# KiCad board FPGA_dev_board.kicad_pcb (continued)
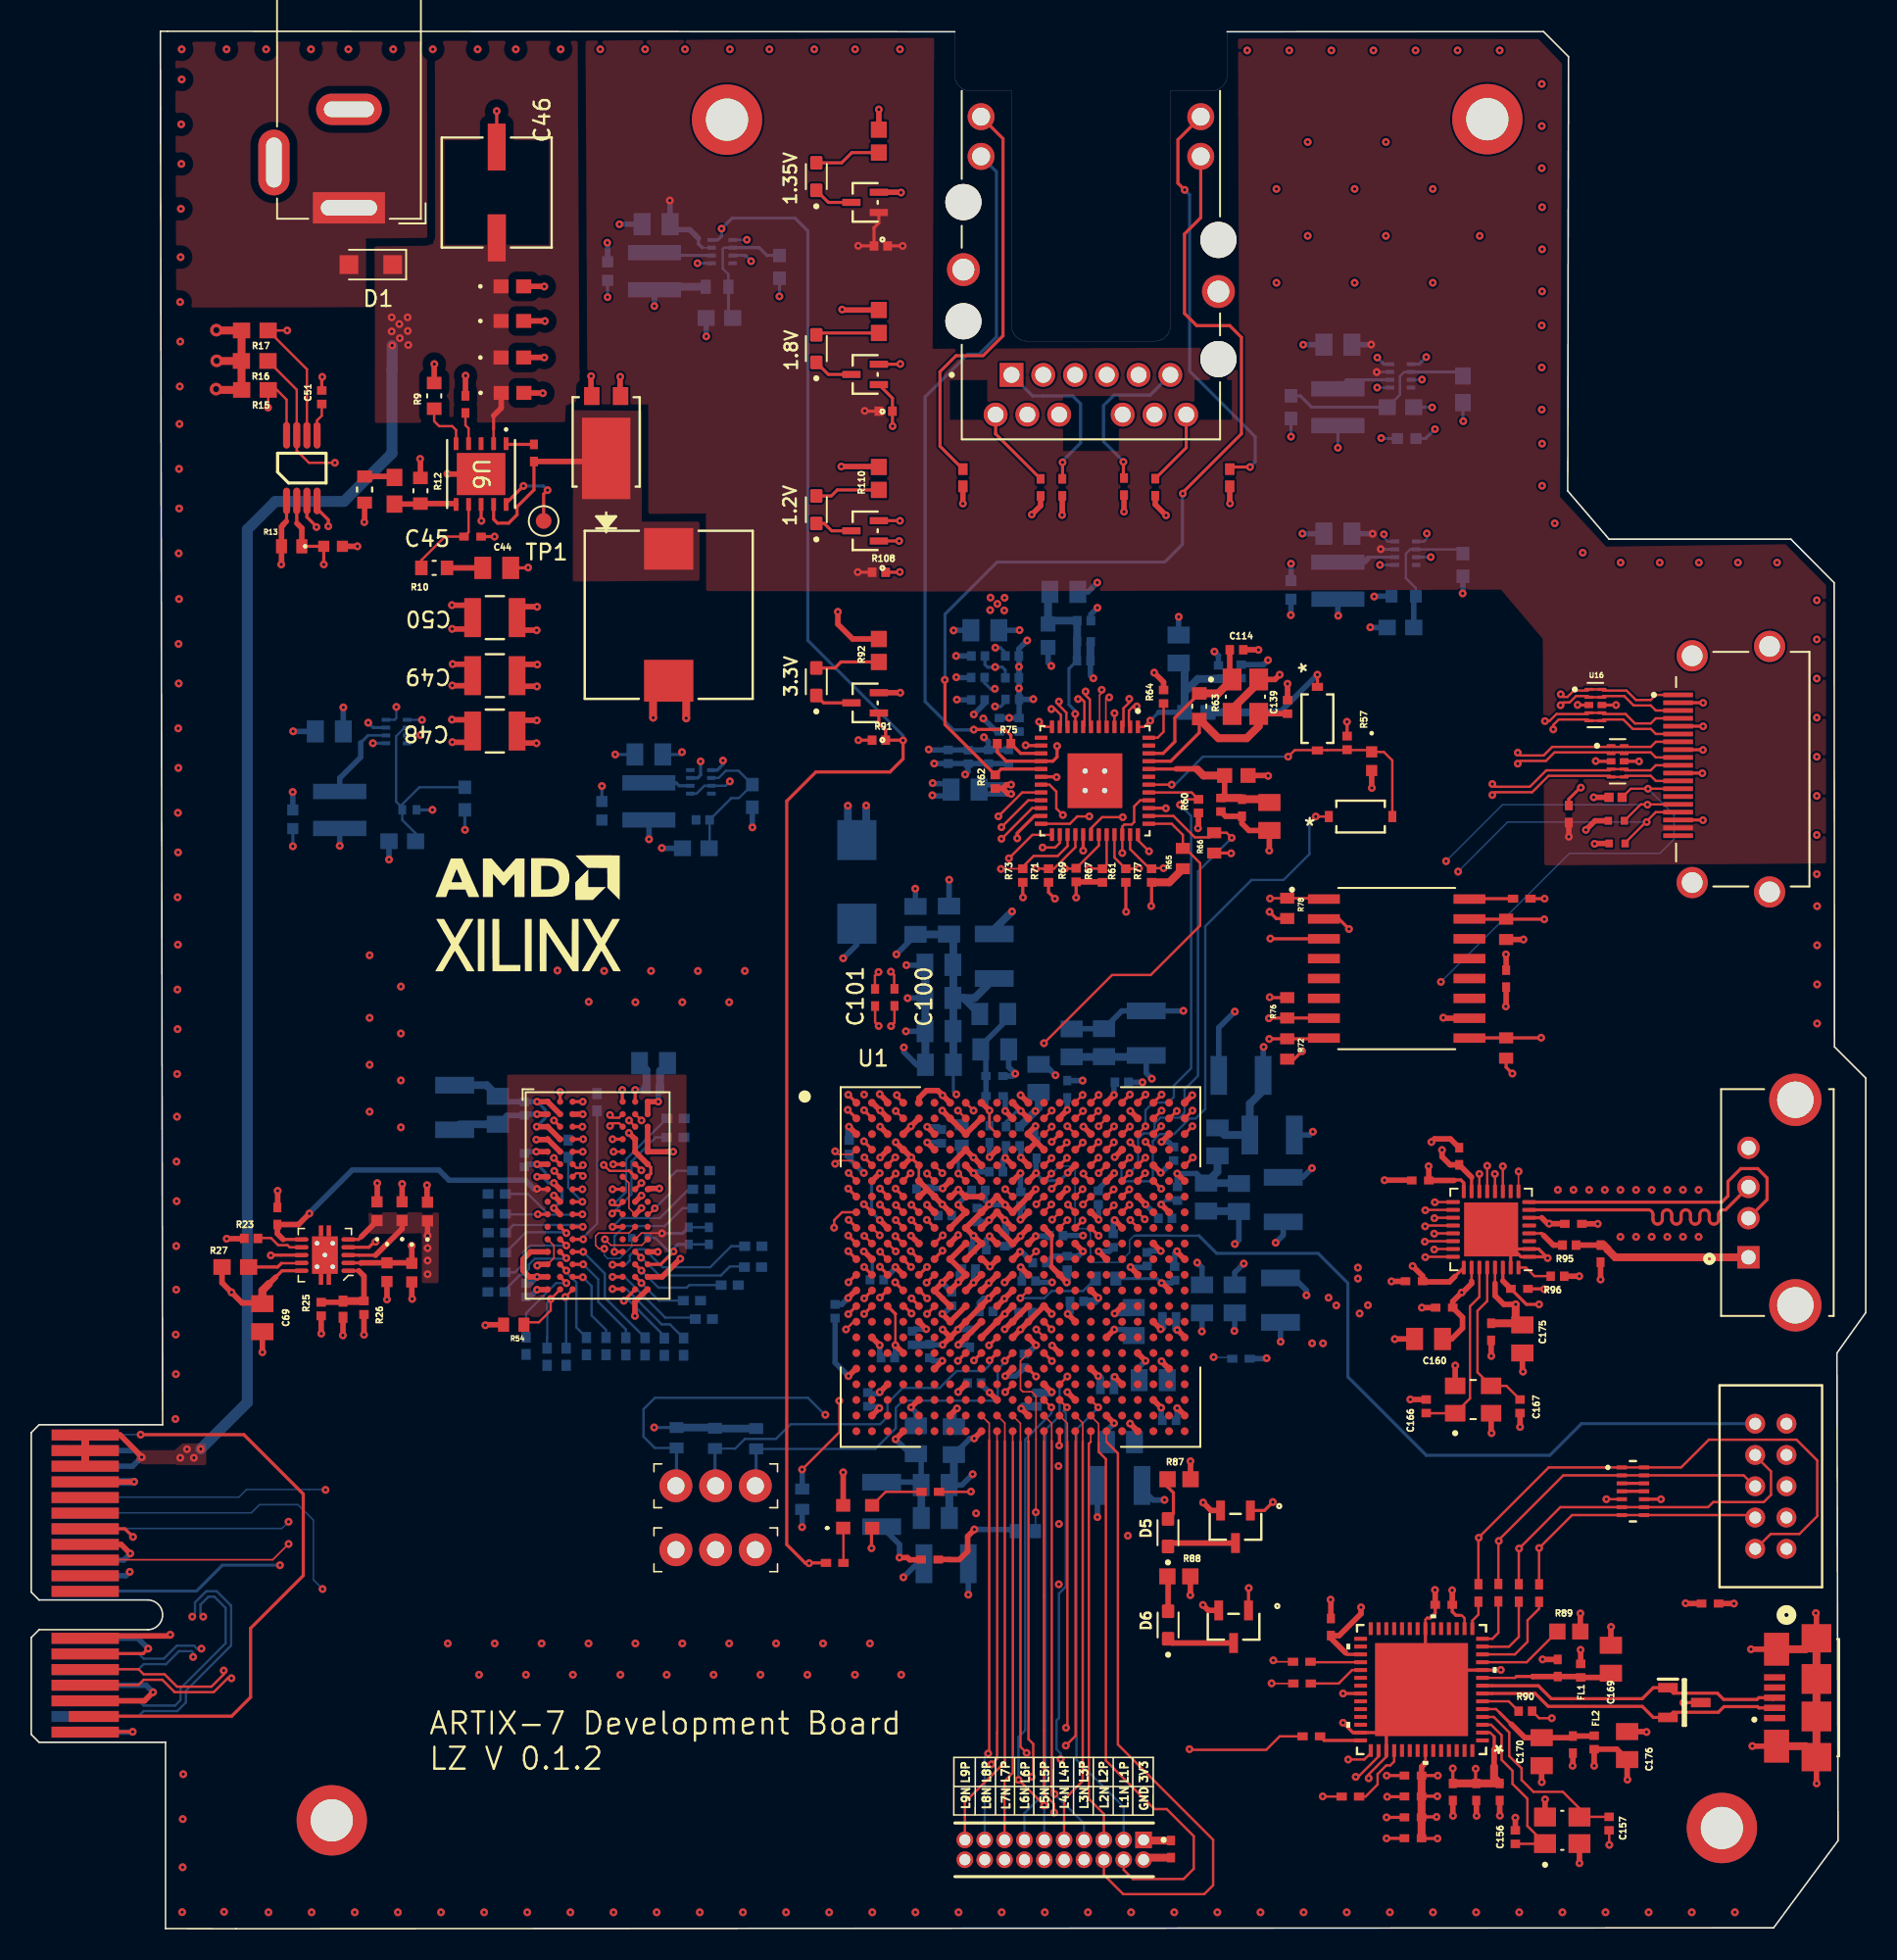
[diagram p0: board, top side]
## Routing (per net, layer and track width the routed paths; a pad name or vN(x,y) marks a point on that pad's centre or on a via; arc(x,y) is an arc through that point) (continued)
RGMII_TD2: length 47.8
  Top w0.15: v1(62.05,70.43) 63.77,72.15 64.58,72.15
  Top w0.2: 68.78,48.82 v1(68.27,48.31)
  In2.Cu w0.1: v1(68.27,48.31) 68.27,47.12 67.91,46.76 61.88,46.76 60.79,47.85 60.79,52.45 arc(60.83,52.55) 60.93,52.59 arc(61.04,52.64) 61.08,52.74 61.08,52.95 arc(61.04,53.05) 60.93,53.09 60.62,53.09 arc(60.5,53.14) 60.45,53.27 60.45,53.42 arc(60.5,53.55) 60.62,53.59 60.96,53.59 arc(61.08,53.64) 61.13,53.77 61.13,53.92 arc(61.08,54.05) 60.96,54.09 60.62,54.09 arc(60.5,54.14) 60.45,54.27 60.45,54.42 arc(60.5,54.55) 60.62,54.59 60.96,54.59 arc(61.08,54.64) 61.13,54.77 61.13,54.92 arc(61.08,55.05) 60.96,55.09 60.62,55.09 arc(60.5,55.14) 60.45,55.27 60.45,55.42 arc(60.5,55.55) 60.62,55.59 60.96,55.59 arc(61.08,55.64) 61.13,55.77 61.13,55.92 arc(61.08,56.05) 60.96,56.09 60.62,56.09 arc(60.5,56.14) 60.45,56.27 60.45,56.42 arc(60.5,56.55) 60.62,56.59 60.96,56.59 arc(61.08,56.64) 61.13,56.77 61.13,56.92 arc(61.08,57.05) 60.96,57.09 60.62,57.09 arc(60.5,57.14) 60.45,57.27 60.45,57.42 arc(60.5,57.55) 60.62,57.59 60.96,57.59 arc(61.08,57.64) 61.13,57.77 61.13,57.92 arc(61.08,58.05) 60.96,58.09 60.62,58.09 arc(60.5,58.14) 60.45,58.27 60.45,58.42 arc(60.5,58.55) 60.62,58.59 60.96,58.59 arc(61.08,58.64) 61.13,58.77 61.13,58.92 arc(61.08,59.05) 60.96,59.09 60.62,59.09 arc(60.5,59.14) 60.45,59.27 60.45,59.42 arc(60.5,59.55) 60.62,59.59 60.96,59.59 arc(61.08,59.64) 61.13,59.77 61.13,59.92 arc(61.08,60.05) 60.96,60.09 60.62,60.09 arc(60.5,60.14) 60.45,60.27 60.45,60.42 arc(60.5,60.55) 60.62,60.59 60.96,60.59 arc(61.08,60.64) 61.13,60.77 61.13,60.92 arc(61.08,61.05) 60.96,61.09 60.62,61.09 arc(60.5,61.14) 60.45,61.27 60.45,61.42 arc(60.5,61.55) 60.62,61.59 60.96,61.59 arc(61.08,61.64) 61.13,61.77 61.13,61.92 arc(61.08,62.05) 60.96,62.09 60.62,62.09 arc(60.5,62.14) 60.45,62.27 60.45,62.42 arc(60.5,62.55) 60.62,62.59 60.96,62.59 arc(61.08,62.64) 61.13,62.76 61.13,62.93 arc(61.08,63.05) 60.96,63.1 arc(60.84,63.15) 60.79,63.27 60.79,63.37 60.23,63.93 60.23,68.62 62.04,70.43 v1(62.05,70.43)
RGMII_TD3: length 47.8
  Top w0.1: 62.69,70.32 62.69,70.31
  Top w0.15: 64.58,71.65 64.02,71.65 62.69,70.32 ; v1(62.05,69.69) 62.07,69.69 62.69,70.31
  Top w0.2: v1(67.29,48.28) 67.29,48.23 67.73,47.8
  In2.Cu w0.1: v1(67.29,48.28) 66.89,47.88 62.83,47.88 61.69,49.02 61.69,55.03 arc(61.76,55.19) 61.92,55.25 62.15,55.25 arc(62.31,55.32) 62.38,55.48 arc(62.31,55.64) 62.15,55.7 61.92,55.7 arc(61.76,55.77) 61.69,55.93 arc(61.76,56.09) 61.92,56.16 62.15,56.16 arc(62.31,56.22) 62.38,56.38 arc(62.31,56.54) 62.15,56.6 61.92,56.6 arc(61.76,56.67) 61.69,56.83 arc(61.76,56.99) 61.92,57.06 62.15,57.06 arc(62.31,57.12) 62.38,57.28 arc(62.31,57.44) 62.15,57.5 61.92,57.5 arc(61.76,57.57) 61.69,57.73 arc(61.76,57.89) 61.92,57.95 62.15,57.95 arc(62.31,58.02) 62.38,58.18 arc(62.31,58.34) 62.15,58.41 61.92,58.41 arc(61.76,58.47) 61.69,58.63 arc(61.76,58.79) 61.92,58.85 62.15,58.85 arc(62.31,58.92) 62.38,59.08 arc(62.31,59.24) 62.15,59.31 61.92,59.31 arc(61.76,59.37) 61.69,59.53 arc(61.76,59.69) 61.92,59.75 62.15,59.75 arc(62.31,59.82) 62.38,59.98 arc(62.31,60.14) 62.15,60.2 61.92,60.2 arc(61.76,60.27) 61.69,60.43 arc(61.76,60.59) 61.92,60.66 62.15,60.66 arc(62.31,60.72) 62.38,60.88 arc(62.31,61.04) 62.15,61.1 61.92,61.1 arc(61.76,61.17) 61.69,61.33 arc(61.76,61.49) 61.92,61.56 62.15,61.56 arc(62.31,61.62) 62.38,61.78 arc(62.31,61.94) 62.15,62 61.92,62 arc(61.76,62.07) 61.69,62.23 arc(61.76,62.39) 61.92,62.45 62.15,62.45 arc(62.31,62.52) 62.38,62.68 arc(62.31,62.84) 62.15,62.91 61.92,62.91 arc(61.76,62.97) 61.69,63.13 arc(61.76,63.29) 61.92,63.35 62.15,63.35 arc(62.31,63.42) 62.38,63.58 arc(62.31,63.74) 62.15,63.81 61.92,63.81 arc(61.76,63.87) 61.69,64.03 61.69,64.17 61.13,64.73 61.13,65.1 arc(61.07,65.24) 60.93,65.3 60.83,65.3 arc(60.69,65.36) 60.63,65.5 arc(60.69,65.64) 60.83,65.7 61.43,65.7 arc(61.57,65.76) 61.63,65.9 arc(61.57,66.04) 61.43,66.1 60.83,66.1 arc(60.69,66.16) 60.63,66.3 arc(60.69,66.44) 60.83,66.5 61.43,66.5 arc(61.57,66.56) 61.63,66.7 arc(61.57,66.84) 61.43,66.9 60.83,66.9 arc(60.69,66.96) 60.63,67.1 arc(60.69,67.24) 60.83,67.3 61.43,67.3 arc(61.57,67.36) 61.63,67.5 arc(61.57,67.64) 61.43,67.7 60.83,67.7 arc(60.69,67.76) 60.63,67.9 arc(60.69,68.04) 60.83,68.1 61.43,68.1 arc(61.57,68.16) 61.63,68.3 arc(61.57,68.44) 61.43,68.5 61.33,68.5 arc(61.19,68.56) 61.13,68.7 61.13,68.77 v1(62.05,69.69)
RGMII_TX_EN: length 47.8
  Top w0.15: 65.28,69.95 65.27,69.94 64.03,69.94 v1(62.53,68.44)
  Top w0.2: 64.78,48.8 v1(65.25,49.27)
  In2.Cu w0.1: v1(65.25,49.27) 63.73,50.8 63.73,52.95 64.36,53.58 64.36,56.92 arc(64.41,57.04) 64.53,57.09 65.52,57.09 arc(65.65,57.15) 65.7,57.27 arc(65.65,57.39) 65.52,57.44 64.53,57.44 arc(64.41,57.5) 64.36,57.62 arc(64.41,57.74) 64.53,57.79 65.52,57.79 arc(65.65,57.85) 65.7,57.97 arc(65.65,58.09) 65.52,58.15 64.53,58.15 arc(64.41,58.2) 64.36,58.32 arc(64.41,58.44) 64.53,58.5 65.52,58.5 arc(65.65,58.55) 65.7,58.67 arc(65.65,58.79) 65.52,58.84 64.53,58.84 arc(64.41,58.9) 64.36,59.02 arc(64.41,59.14) 64.53,59.19 65.52,59.19 arc(65.65,59.25) 65.7,59.37 arc(65.65,59.49) 65.52,59.54 64.53,59.54 arc(64.41,59.6) 64.36,59.72 arc(64.41,59.84) 64.53,59.9 65.52,59.9 arc(65.65,59.95) 65.7,60.07 arc(65.65,60.19) 65.52,60.25 64.53,60.25 arc(64.41,60.3) 64.36,60.42 arc(64.41,60.54) 64.53,60.59 65.52,60.59 arc(65.65,60.65) 65.7,60.77 arc(65.65,60.89) 65.52,60.94 64.53,60.94 arc(64.41,61) 64.36,61.12 arc(64.41,61.24) 64.53,61.29 65.52,61.29 arc(65.65,61.35) 65.7,61.47 arc(65.65,61.59) 65.52,61.65 64.53,61.65 arc(64.41,61.7) 64.36,61.82 arc(64.41,61.94) 64.53,62 65.52,62 arc(65.65,62.05) 65.7,62.17 arc(65.65,62.29) 65.52,62.34 64.53,62.34 arc(64.41,62.4) 64.36,62.52 arc(64.41,62.64) 64.53,62.69 65.52,62.69 arc(65.65,62.75) 65.7,62.87 arc(65.65,62.99) 65.52,63.04 64.53,63.04 arc(64.41,63.1) 64.36,63.22 arc(64.41,63.34) 64.53,63.4 65.12,63.4 arc(65.25,63.45) 65.3,63.57 arc(65.25,63.69) 65.12,63.75 64.53,63.75 arc(64.41,63.8) 64.36,63.92 64.36,64.13 62.98,65.51 62.98,67.99 v1(62.53,68.44)
RGMII_TXC: length 47.9
  Top w0.15: v1(67.67,71.12) 66.9,71.12 66.43,70.65 64.58,70.65
  Top w0.2: U1.C18 69.79,50.81 v1(70.27,51.28)
  In2.Cu w0.1: v1(67.67,71.12) 68.54,71.12 69.22,70.44 69.22,66.69 69.82,66.09 70.77,66.09 71.6,66.92 71.6,68.03 72.05,68.48 72.95,68.48 74.11,67.32 74.11,67.11 arc(74.05,66.96) 73.9,66.9 arc(73.75,66.84) 73.69,66.69 73.69,66.65 arc(73.75,66.5) 73.9,66.44 74.32,66.44 arc(74.47,66.37) 74.54,66.22 74.54,66.2 arc(74.47,66.05) 74.32,65.98 73.9,65.98 arc(73.75,65.92) 73.68,65.77 73.68,65.75 arc(73.75,65.6) 73.9,65.53 74.32,65.53 arc(74.47,65.47) 74.54,65.32 74.54,65.3 arc(74.47,65.15) 74.32,65.09 73.9,65.09 arc(73.75,65.02) 73.68,64.87 73.68,64.85 arc(73.75,64.7) 73.9,64.63 74.32,64.63 arc(74.47,64.57) 74.54,64.42 74.54,64.4 arc(74.47,64.25) 74.32,64.19 73.9,64.19 arc(73.75,64.12) 73.68,63.97 73.68,63.95 arc(73.75,63.8) 73.9,63.73 74.32,63.73 arc(74.47,63.67) 74.54,63.52 74.54,63.5 arc(74.47,63.35) 74.32,63.28 73.9,63.28 arc(73.75,63.22) 73.68,63.07 73.68,63.05 arc(73.75,62.9) 73.9,62.84 74.32,62.84 arc(74.47,62.77) 74.54,62.62 74.54,62.6 arc(74.47,62.45) 74.32,62.38 73.9,62.38 arc(73.75,62.32) 73.68,62.17 73.68,62.15 arc(73.75,62) 73.9,61.94 74.32,61.94 arc(74.47,61.87) 74.54,61.72 74.54,61.7 arc(74.47,61.55) 74.32,61.48 73.9,61.48 arc(73.75,61.42) 73.68,61.27 73.68,61.25 arc(73.75,61.1) 73.9,61.03 74.32,61.03 arc(74.47,60.97) 74.54,60.82 74.54,60.8 arc(74.47,60.65) 74.32,60.59 73.9,60.59 arc(73.75,60.52) 73.68,60.37 73.68,60.35 arc(73.75,60.2) 73.9,60.13 74.32,60.13 arc(74.47,60.07) 74.54,59.92 74.54,59.9 arc(74.47,59.75) 74.32,59.69 73.9,59.69 arc(73.75,59.62) 73.68,59.47 73.68,59.45 arc(73.75,59.3) 73.9,59.23 74.32,59.23 arc(74.47,59.17) 74.53,59.02 74.53,59 arc(74.47,58.85) 74.32,58.78 arc(74.17,58.72) 74.11,58.57 74.11,56.82 72.04,54.75 70.73,54.75 70.42,54.44 70.42,53.98 70.74,53.66 70.74,53.07 70.47,52.8 70.09,52.8 69.79,52.5 69.79,51.76 v1(70.27,51.28)
UART1_RXD: length 38.5
  Top w0.1: R103.2 79.34,15.68 v1(79.33,15.69)
  Top w0.15: 80.7,15.7 R103.2
  Top w0.2: 68.77,45.78 v1(69.24,46.26)
  In4_VCC.Cu w0.1: 79.34,15.7 78.15,15.7 75.45,18.4 75.45,32.51 75.39,32.51 73.73,34.17 72.42,34.17 69.8,36.79 69.8,45.95 69.49,46.26 v1(69.24,46.26)
UART1_TXD: length 35.2
  Top w0.1: v1(79.44,17.16) 79.53,17.07 R102.2
  Top w0.15: 80.61,17.16 R102.2
  Top w0.2: 69.77,45.81 v1(70.24,46.28)
  In4_VCC.Cu w0.1: 79.46,17.16 78.75,17.87 78.75,30.64 70.77,38.62 70.77,45.95 70.76,45.95 70.42,46.28 v1(70.24,46.28)
UART2_RXD: length 48
  Top w0.15: R104.2 82.61,8.45 v1(82.6,8.46)
  Top w0.2: 66.77,44.81 v1(67.24,45.28)
  In4_VCC.Cu w0.1: v1(82.6,8.46) 78.32,8.46 67.44,19.34 67.44,40.76 67.78,41.1 67.78,44.98 67.47,45.28 v1(67.24,45.28)
UART2_TXD: length 46.4
  Top w0.15: 74.11,11.44 78.99,11.44 79.85,12.3 R105.2
  Top w0.2: 66.78,45.82 v1(66.31,46.3)
  In4_VCC.Cu w0.1: 74.11,11.44 66.91,18.64 66.91,41.58 66.75,41.74 66.75,45.96 66.41,46.3 v1(66.31,46.3)
  vias: v1(74.08,11.48)
ULPI_CLK: length 34
  Top w0.15: U13.14 v1(92.62,48.26)
  Top w0.2: 68.77,49.81 v1(69.24,50.28)
  In5.Cu w0.1: 69.27,50.28 v1(69.24,50.28) 69.24,50.3 69.73,50.79 70.59,50.79 70.78,50.98 70.78,51.5 71.06,51.78 72.51,51.78 72.78,52.05 72.78,52.49 73.14,52.85 80.93,52.85 82.62,51.16 87.68,51.16 arc(87.82,51.1) 87.88,50.96 arc(87.93,50.83) 88.07,50.77 88.08,50.77 arc(88.22,50.83) 88.28,50.96 88.28,51.36 arc(88.34,51.49) 88.48,51.55 88.48,51.55 arc(88.62,51.49) 88.68,51.36 88.68,50.96 arc(88.74,50.83) 88.88,50.77 88.88,50.77 arc(89.02,50.83) 89.08,50.96 89.08,51.36 arc(89.14,51.49) 89.28,51.55 89.28,51.55 arc(89.42,51.49) 89.48,51.36 89.48,50.96 arc(89.54,50.83) 89.68,50.77 89.68,50.77 arc(89.82,50.83) 89.88,50.96 89.88,51.36 arc(89.94,51.49) 90.08,51.55 90.08,51.55 arc(90.22,51.49) 90.28,51.36 90.28,50.96 arc(90.34,50.83) 90.48,50.77 90.48,50.77 arc(90.62,50.83) 90.68,50.96 arc(90.74,51.1) 90.88,51.16 91.65,51.16 92.6,50.21 92.6,48.28 v1(92.62,48.26)
ULPI_DIR: length 32.1
  Top w0.15: U13.12 93.62,48.25 v1(93.61,48.26)
  Top w0.2: 71.8,52.84 v1(72.29,53.34)
  In5.Cu w0.1: v1(93.61,48.26) 93.61,50.87 91.89,52.59 89.87,52.59 arc(89.75,52.54) 89.69,52.41 89.69,52.31 arc(89.64,52.19) 89.52,52.14 arc(89.4,52.19) 89.34,52.31 89.34,52.74 arc(89.3,52.84) 89.2,52.88 89.14,52.88 arc(89.04,52.84) 89,52.74 89,52.31 arc(88.94,52.19) 88.82,52.14 arc(88.7,52.19) 88.64,52.31 88.64,52.74 arc(88.6,52.84) 88.5,52.88 88.44,52.88 arc(88.34,52.84) 88.3,52.74 88.3,52.31 arc(88.24,52.19) 88.12,52.14 arc(88,52.19) 87.94,52.31 87.94,52.74 arc(87.9,52.84) 87.8,52.88 87.74,52.88 arc(87.64,52.84) 87.59,52.74 87.59,52.31 arc(87.54,52.19) 87.42,52.14 arc(87.3,52.19) 87.25,52.31 87.25,52.73 arc(87.2,52.83) 87.1,52.87 87,52.87 arc(86.9,52.83) 86.86,52.73 arc(86.82,52.63) 86.72,52.59 83,52.59 81.49,54.1 73.04,54.1 72.29,53.35 v1(72.29,53.34)
ULPI_DT0: length 32.1
  Top w0.15: U13.24 89.18,42.96 v1(89.16,42.94)
  Top w0.2: 71.77,47.81 v1(72.27,47.31)
  In5.Cu w0.1: v1(72.27,47.31) 72.37,47.31 73.67,46.01 arc(73.72,45.87) 73.66,45.73 73.45,45.52 arc(73.39,45.38) 73.45,45.24 arc(73.59,45.18) 73.74,45.24 74.44,45.94 arc(74.58,46) 74.73,45.94 arc(74.78,45.8) 74.73,45.66 74.02,44.95 arc(73.96,44.81) 74.02,44.67 arc(74.16,44.61) 74.3,44.67 75.01,45.38 arc(75.15,45.44) 75.29,45.38 arc(75.35,45.24) 75.29,45.1 74.58,44.39 arc(74.53,44.25) 74.58,44.11 arc(74.73,44.05) 74.87,44.11 75.57,44.81 arc(75.72,44.87) 75.86,44.81 arc(75.92,44.67) 75.86,44.53 75.15,43.82 arc(75.09,43.68) 75.15,43.54 arc(75.29,43.48) 75.43,43.54 76.14,44.25 arc(76.28,44.31) 76.42,44.25 arc(76.48,44.11) 76.42,43.96 75.72,43.26 arc(75.66,43.12) 75.72,42.97 arc(75.86,42.92) 76,42.97 76.21,43.19 arc(76.35,43.25) 76.49,43.19 76.74,42.94 v1(89.16,42.94)
ULPI_DT1: length 32.1
  Top w0.15: v1(89.73,43.43) 89.76,43.46 U13.23
  Top w0.2: 70.77,47.84 v1(71.24,48.31)
  In5.Cu w0.1: v1(89.73,43.43) 78.77,43.43 78.49,43.71 arc(78.31,43.78) 78.14,43.71 78.08,43.65 arc(77.9,43.58) 77.72,43.65 arc(77.65,43.83) 77.72,44.01 78.19,44.48 arc(78.27,44.65) 78.19,44.83 arc(78.02,44.9) 77.84,44.83 77.37,44.36 arc(77.19,44.29) 77.02,44.36 arc(76.94,44.54) 77.02,44.71 77.49,45.18 arc(77.56,45.36) 77.49,45.54 arc(77.31,45.61) 77.13,45.54 76.66,45.07 arc(76.49,44.99) 76.31,45.07 arc(76.24,45.24) 76.31,45.42 76.78,45.89 arc(76.85,46.07) 76.78,46.24 arc(76.6,46.32) 76.43,46.24 75.96,45.77 arc(75.78,45.7) 75.6,45.77 arc(75.53,45.95) 75.6,46.13 76.07,46.6 arc(76.15,46.77) 76.07,46.95 arc(75.9,47.02) 75.72,46.95 75.25,46.48 arc(75.07,46.41) 74.9,46.48 arc(74.82,46.66) 74.9,46.83 75.37,47.3 arc(75.44,47.48) 75.37,47.66 arc(75.19,47.73) 75.01,47.66 74.95,47.6 arc(74.78,47.53) 74.6,47.6 73.34,48.86 71.79,48.86 v1(71.24,48.31)
ULPI_DT2: length 32.1
  Top w0.15: v1(89.13,43.93) 89.16,43.96 U13.22
  Top w0.2: 73.82,48.84 v1(74.29,49.31)
  In5.Cu w0.1: v1(74.29,49.31) 74.93,49.31 75.42,48.82 arc(75.47,48.7) 75.42,48.57 75.35,48.5 arc(75.3,48.38) 75.35,48.25 arc(75.47,48.2) 75.6,48.25 75.99,48.64 arc(76.11,48.69) 76.23,48.64 arc(76.28,48.52) 76.23,48.4 75.84,48.01 arc(75.79,47.88) 75.84,47.76 arc(75.97,47.71) 76.09,47.76 76.48,48.15 arc(76.6,48.2) 76.73,48.15 arc(76.78,48.02) 76.73,47.9 76.34,47.51 arc(76.29,47.39) 76.34,47.26 arc(76.46,47.21) 76.59,47.26 76.98,47.65 arc(77.1,47.7) 77.22,47.65 arc(77.27,47.53) 77.22,47.41 76.83,47.02 arc(76.78,46.89) 76.83,46.77 arc(76.96,46.72) 77.08,46.77 77.47,47.16 arc(77.59,47.21) 77.72,47.16 arc(77.77,47.03) 77.72,46.91 77.33,46.52 arc(77.28,46.4) 77.33,46.27 arc(77.45,46.22) 77.58,46.27 77.97,46.66 arc(78.09,46.71) 78.21,46.66 arc(78.26,46.54) 78.21,46.42 77.82,46.03 arc(77.77,45.9) 77.82,45.78 arc(77.95,45.73) 78.07,45.78 78.46,46.17 arc(78.58,46.22) 78.71,46.17 arc(78.76,46.04) 78.71,45.92 78.32,45.53 arc(78.27,45.41) 78.32,45.28 arc(78.44,45.23) 78.57,45.28 78.96,45.67 arc(79.08,45.72) 79.2,45.67 arc(79.25,45.55) 79.2,45.43 78.81,45.04 arc(78.76,44.91) 78.81,44.79 arc(78.94,44.74) 79.06,44.79 79.45,45.18 arc(79.57,45.23) 79.7,45.18 arc(79.75,45.05) 79.7,44.93 79.31,44.54 arc(79.26,44.42) 79.31,44.29 arc(79.43,44.24) 79.56,44.29 79.63,44.37 arc(79.75,44.42) 79.87,44.37 80.31,43.93 v1(89.13,43.93)
ULPI_DT3: length 32.1
  Top w0.15: v1(89.73,44.44) 89.75,44.46 U13.21
  Top w0.2: v1(71.27,50.31) 71.77,49.81 U1.D20
  In5.Cu w0.1: v1(89.73,44.44) 81.89,44.44 81.62,44.71 arc(81.56,44.86) 81.62,45 arc(81.67,45.14) 81.62,45.28 81.58,45.32 arc(81.44,45.37) 81.3,45.32 81.01,45.03 arc(80.87,44.97) 80.73,45.03 80.7,45.07 arc(80.64,45.21) 80.7,45.35 80.98,45.63 arc(81.04,45.77) 80.98,45.92 80.94,45.95 arc(80.8,46.01) 80.66,45.95 80.38,45.67 arc(80.24,45.61) 80.1,45.67 80.06,45.7 arc(80,45.85) 80.06,45.99 80.34,46.27 arc(80.4,46.41) 80.34,46.55 80.31,46.59 arc(80.17,46.65) 80.02,46.59 79.74,46.31 arc(79.6,46.25) 79.46,46.31 79.42,46.34 arc(79.37,46.48) 79.42,46.62 79.71,46.91 arc(79.77,47.05) 79.71,47.19 79.67,47.22 arc(79.53,47.28) 79.39,47.22 79.11,46.94 arc(78.96,46.88) 78.82,46.94 78.79,46.98 arc(78.73,47.12) 78.79,47.26 79.07,47.54 arc(79.13,47.68) 79.07,47.83 79.03,47.86 arc(78.89,47.92) 78.75,47.86 78.47,47.58 arc(78.33,47.52) 78.19,47.58 78.15,47.61 arc(78.09,47.75) 78.15,47.9 78.43,48.18 arc(78.49,48.32) 78.43,48.46 78.4,48.5 arc(78.26,48.56) 78.12,48.5 77.83,48.21 arc(77.69,48.16) 77.55,48.21 77.51,48.25 arc(77.46,48.39) 77.51,48.53 77.8,48.82 arc(77.86,48.96) 77.8,49.1 77.76,49.13 arc(77.62,49.19) 77.48,49.13 77.2,48.85 arc(77.05,48.79) 76.91,48.85 76.88,48.89 arc(76.82,49.03) 76.88,49.17 77.16,49.45 arc(77.22,49.59) 77.16,49.73 77.13,49.77 arc(76.98,49.83) 76.84,49.77 arc(76.7,49.71) 76.56,49.77 76.36,49.97 74.14,49.97 74.07,49.9 71.68,49.9 v1(71.27,50.31)
ULPI_DT4: length 32.1
  Top w0.15: U13.20 89.2,44.96 v1(89.15,44.91)
  Top w0.2: 71.77,50.81 v1(72.27,51.31)
  In5.Cu w0.1: v1(72.27,51.31) 72.88,50.7 77.39,50.7 77.94,50.15 arc(78.06,50.1) 78.19,50.15 78.32,50.28 arc(78.45,50.34) 78.57,50.28 arc(78.62,50.16) 78.57,50.04 78.05,49.52 arc(78,49.4) 78.05,49.27 arc(78.18,49.22) 78.3,49.27 78.82,49.79 arc(78.94,49.84) 79.06,49.79 arc(79.12,49.67) 79.06,49.54 78.55,49.03 arc(78.5,48.9) 78.55,48.78 arc(78.67,48.73) 78.79,48.78 79.31,49.3 arc(79.44,49.35) 79.56,49.3 arc(79.61,49.17) 79.56,49.05 79.04,48.53 arc(78.99,48.41) 79.04,48.28 arc(79.17,48.23) 79.29,48.28 79.81,48.8 arc(79.93,48.85) 80.05,48.8 arc(80.11,48.68) 80.05,48.55 79.54,48.04 arc(79.49,47.91) 79.54,47.79 arc(79.66,47.74) 79.78,47.79 80.3,48.31 arc(80.43,48.36) 80.55,48.31 arc(80.6,48.18) 80.55,48.06 80.03,47.54 arc(79.98,47.42) 80.03,47.29 arc(80.16,47.24) 80.28,47.29 80.8,47.81 arc(80.92,47.86) 81.04,47.81 arc(81.1,47.69) 81.04,47.56 80.91,47.43 arc(80.86,47.3) 80.91,47.18 83.18,44.91 v1(89.15,44.91)
ULPI_DT5: length 32.1
  Top w0.15: v1(89.74,45.43) 89.77,45.46 U13.19
  Top w0.2: 73.77,50.81 v1(74.27,51.31)
  In5.Cu w0.1: v1(89.74,45.43) 88.27,45.43 arc(88.13,45.49) 88.07,45.63 88.07,46.94 arc(88.01,47.08) 87.87,47.14 arc(87.73,47.08) 87.67,46.94 87.67,45.63 arc(87.61,45.49) 87.47,45.43 arc(87.33,45.49) 87.27,45.63 87.27,46.94 arc(87.21,47.08) 87.07,47.14 arc(86.93,47.08) 86.87,46.94 86.87,45.63 arc(86.81,45.49) 86.67,45.43 arc(86.53,45.49) 86.47,45.63 86.47,46.94 arc(86.41,47.08) 86.27,47.14 arc(86.13,47.08) 86.07,46.94 86.07,45.63 arc(86.01,45.49) 85.87,45.43 arc(85.73,45.49) 85.67,45.63 85.67,46.94 arc(85.61,47.08) 85.47,47.14 arc(85.33,47.08) 85.27,46.94 85.27,45.63 arc(85.21,45.49) 85.07,45.43 84.46,45.43 78.58,51.31 v1(74.27,51.31)
ULPI_DT6: length 34
  Top w0.15: v1(89.16,45.94) 89.18,45.96 U13.18
  Top w0.2: 72.77,51.79 v1(73.27,52.28) 73.27,52.29
  In5.Cu w0.1: v1(73.27,52.28) 73.83,51.72 78.85,51.72 81.48,49.09 82.16,49.09 arc(82.28,49.04) 82.33,48.91 82.33,48.83 arc(82.39,48.71) 82.51,48.66 arc(82.63,48.71) 82.69,48.83 82.69,49.35 arc(82.74,49.47) 82.86,49.52 arc(82.98,49.47) 83.03,49.35 83.03,48.83 arc(83.09,48.71) 83.21,48.66 arc(83.33,48.71) 83.39,48.83 83.39,49.35 arc(83.44,49.47) 83.56,49.52 arc(83.68,49.47) 83.73,49.35 83.73,48.83 arc(83.79,48.71) 83.91,48.66 arc(84.03,48.71) 84.08,48.83 84.08,49.35 arc(84.14,49.47) 84.26,49.52 arc(84.38,49.47) 84.44,49.35 84.44,48.83 arc(84.49,48.71) 84.61,48.66 arc(84.73,48.71) 84.78,48.83 84.78,49.35 arc(84.84,49.47) 84.96,49.52 arc(85.08,49.47) 85.14,49.35 85.14,48.83 arc(85.19,48.71) 85.31,48.66 arc(85.43,48.71) 85.48,48.83 85.48,49.35 arc(85.54,49.47) 85.66,49.52 arc(85.78,49.47) 85.83,49.35 85.83,48.83 arc(85.89,48.71) 86.01,48.66 arc(86.13,48.71) 86.19,48.83 86.19,49.35 arc(86.24,49.47) 86.36,49.52 arc(86.48,49.47) 86.53,49.35 86.53,48.83 arc(86.59,48.71) 86.71,48.66 arc(86.83,48.71) 86.89,48.83 86.89,49.35 arc(86.94,49.47) 87.06,49.52 arc(87.18,49.47) 87.23,49.35 87.23,48.83 arc(87.29,48.71) 87.41,48.66 arc(87.53,48.71) 87.58,48.83 87.58,48.91 arc(87.64,49.04) 87.76,49.09 87.98,49.09 88.26,48.81 arc(88.39,48.76) 88.51,48.81 88.57,48.87 arc(88.69,48.92) 88.82,48.87 arc(88.87,48.74) 88.82,48.62 88.45,48.25 arc(88.4,48.13) 88.45,48.01 arc(88.58,47.96) 88.7,48.01 88.76,48.06 arc(88.88,48.12) 89.01,48.06 89.16,47.91 v1(89.16,45.94)
ULPI_DT7: length 32.1
  Top w0.15: U13.17 89.78,46.46 v1(89.77,46.45)
  Top w0.2: 73.77,51.81 v1(74.27,52.31)
  In5.Cu w0.1: v1(89.77,46.45) 89.77,49.38 88.87,50.28 87.73,50.28 arc(87.61,50.23) 87.55,50.1 87.55,50.02 arc(87.5,49.9) 87.38,49.85 arc(87.26,49.9) 87.2,50.02 87.2,50.54 arc(87.15,50.66) 87.03,50.71 arc(86.91,50.66) 86.86,50.54 86.86,50.02 arc(86.8,49.9) 86.68,49.85 arc(86.56,49.9) 86.5,50.02 86.5,50.54 arc(86.45,50.66) 86.33,50.71 arc(86.21,50.66) 86.16,50.54 86.16,50.02 arc(86.1,49.9) 85.98,49.85 arc(85.86,49.9) 85.8,50.02 85.8,50.54 arc(85.75,50.66) 85.63,50.71 arc(85.51,50.66) 85.45,50.54 85.45,50.02 arc(85.4,49.9) 85.28,49.85 arc(85.16,49.9) 85.11,50.02 85.11,50.54 arc(85.05,50.66) 84.93,50.71 arc(84.81,50.66) 84.75,50.54 84.75,50.02 arc(84.7,49.9) 84.58,49.85 arc(84.46,49.9) 84.41,50.02 84.41,50.54 arc(84.35,50.66) 84.23,50.71 arc(84.11,50.66) 84.05,50.54 84.05,50.02 arc(84,49.9) 83.88,49.85 arc(83.76,49.9) 83.7,50.02 83.7,50.54 arc(83.65,50.66) 83.53,50.71 arc(83.41,50.66) 83.36,50.54 83.36,50.02 arc(83.3,49.9) 83.18,49.85 arc(83.06,49.9) 83,50.02 83,50.54 arc(82.95,50.66) 82.83,50.71 arc(82.71,50.66) 82.66,50.54 82.66,50.02 arc(82.6,49.9) 82.48,49.85 arc(82.36,49.9) 82.3,50.02 82.3,50.1 arc(82.25,50.23) 82.13,50.28 81.08,50.28 79.05,52.31 v1(74.27,52.31)
ULPI_NXT: length 32.1
  Top w0.15: U13.11 v1(94.12,48.75)
  Top w0.2: 70.77,52.84 v1(71.27,53.34)
  In5.Cu w0.1: v1(71.27,53.34) 71.28,53.34 72.42,54.48 81.94,54.48 83.27,53.15 83.71,53.15 arc(83.81,53.19) 83.85,53.29 arc(83.89,53.39) 83.99,53.43 84.09,53.43 arc(84.19,53.39) 84.23,53.29 84.23,53 arc(84.28,52.9) 84.38,52.86 84.44,52.86 arc(84.54,52.9) 84.58,53 84.58,53.3 arc(84.63,53.4) 84.73,53.44 84.79,53.44 arc(84.89,53.4) 84.94,53.3 84.94,53 arc(84.98,52.9) 85.08,52.86 85.14,52.86 arc(85.24,52.9) 85.28,53 85.28,53.3 arc(85.33,53.4) 85.43,53.44 85.49,53.44 arc(85.59,53.4) 85.64,53.3 85.64,53.01 arc(85.68,52.91) 85.78,52.87 85.84,52.87 arc(85.94,52.91) 85.98,53.01 arc(86.03,53.11) 86.13,53.15 92.3,53.15 94.12,51.33 v1(94.12,48.75)
ULPI_RST: length 32.1
  Top w0.1: v1(95.13,48.42) 95.12,48.41 U13.9
  Top w0.2: 69.77,52.84 v1(70.27,53.34)
  In5.Cu w0.1: v1(70.27,53.34) 70.27,54.07 71.02,54.82 82.42,54.82 83.51,53.73 92.55,53.73 94.6,51.68 94.6,48.95 v1(95.13,48.42)
ULPI_STP: length 32.1
  Top w0.15: U13.13 v1(93.12,48.78)
  Top w0.2: 71.8,51.81 v1(72.29,52.31)
  In5.Cu w0.1: v1(93.12,48.78) 93.12,50.52 91.78,51.86 87.17,51.86 arc(87.05,51.81) 87,51.69 arc(86.96,51.57) 86.84,51.52 86.82,51.52 arc(86.7,51.57) 86.66,51.69 86.66,52.03 arc(86.61,52.15) 86.49,52.2 86.47,52.2 arc(86.35,52.15) 86.3,52.03 86.3,51.69 arc(86.26,51.57) 86.14,51.52 86.12,51.52 arc(86,51.57) 85.95,51.69 85.95,52.03 arc(85.91,52.15) 85.79,52.2 85.77,52.2 arc(85.65,52.15) 85.61,52.03 85.61,51.69 arc(85.56,51.57) 85.44,51.52 85.42,51.52 arc(85.3,51.57) 85.25,51.69 85.25,52.03 arc(85.21,52.15) 85.09,52.2 85.07,52.2 arc(84.95,52.15) 84.91,52.03 84.91,51.69 arc(84.86,51.57) 84.74,51.52 84.72,51.52 arc(84.6,51.57) 84.55,51.69 84.55,52.03 arc(84.51,52.15) 84.39,52.2 84.37,52.2 arc(84.25,52.15) 84.2,52.03 84.2,51.69 arc(84.16,51.57) 84.04,51.52 84.02,51.52 arc(83.9,51.57) 83.86,51.69 83.86,52.03 arc(83.81,52.15) 83.69,52.2 83.67,52.2 arc(83.55,52.15) 83.5,52.03 arc(83.45,51.91) 83.33,51.86 82.85,51.86 80.93,53.78 73.55,53.78 72.29,52.52 v1(72.29,52.31)
VREFDQ: length 26.5
  Top w0.1: v1(40.34,44.46) 40.32,44.48 39.03,44.48 U9.M8
  Top w0.15: 32.38,47.28 v1(32.35,47.31)
  Top w0.2: U9.H1 32.38,47.28 ; U10.6 16.11,44.07
  Top w0.35: v1(17.79,45.73) 17.08,45.02 C70.1 15.74,44.44 16.11,44.07
  Bottom w0.15: C62.1 C61.1
  Bottom w0.2: v1(40.34,44.46) 41.66,44.46 C62.1
  Bottom w0.35: v1(32.35,47.31) 32.16,47.31 31.6,47.86 26.72,47.86 26.07,48.51 20.53,48.51 17.79,45.77 v1(17.79,45.73)
Net-(C44-Pad1): length 2.3
  Top w0.35: R10.2 C44.1
Net-(D2-PadA): length 4.2
  Top w0.2: D2.A 51.17,91.61 51.56,92 R110.1
Net-(D5-PadA): length 2.8
  Top w0.2: D5.A 73.05,26.55 73.05,27.88 72.68,28.25 R87.1
Net-(D6-PadA): length 2.2
  Top w0.35: D6.A 72.71,22.48 R88.1
Net-(D7-PadA): length 4
  Top w0.2: R112.1 50.33,102.03 D7.A
Net-(D8-PadA): length 4.3
  Top w0.2: R113.1 52.48,113.56 51.83,112.91 D8.A
Net-(D9-PadA): length 4.2
  Top w0.2: D9.A 51.4,80.61 51.79,81 R92.1
Net-(IC1-C): length 2.8
  Top w0.2: R79.1 92.01,65.86 IC1.16
Net-(J3-Pad14): length 26.4
  Top w0.2: 60.75,115.85 62.15,114.45 62.15,101.85 60.88,100.58 59.15,100.58 58.12,99.55 58.12,94.79 R59.1
Net-(J3-Pad16): length 26.5
  Top w0.2: 74.8,115.85 73.34,114.38 73.34,111.61 v1(73.77,111.18) ; R58.1 76.79,93.46 v1(77.95,93.46)
  Bottom w0.2: v1(77.95,93.46) 78.28,93.79 78.28,95.4 74.09,99.59 74.09,110.86 v1(73.77,111.18)
Net-(J3-TRCT1): length 4.9
  Top w0.2: C110.1 73.87,94.7 J3.12
Net-(J3-TRCT2): length 10.3
  Top w0.2: C111.1 69.85,92.8 v1(69.85,93.79)
  Bottom w0.2: J3.6 71.56,98.06 69.25,98.06 68.58,97.39 68.58,95.09 69.85,93.82 v1(69.85,93.79)
Net-(J3-TRCT3): length 10.5
  Top w0.2: 65.96,92.73 v1(65.96,93.76) 65.94,93.74
  Bottom w0.2: v1(65.96,93.76) 65.96,93.84 67.11,94.99 67.11,97.5 66.61,98 64.04,98 J3.1
Net-(J3-TRCT4): length 5.3
  Top w0.2: C113.1 61.68,95.58 J3.7
Net-(MOSFET1-D): length 2.6
  Top w0.2: MOSFET1.3 50.98,99.38 D7.C
Net-(MOSFET2-D): length 2.4
  Top w0.2: D2.C 50.72,89.85 51.19,89.38 MOSFET2.3
Net-(MOSFET3-D): length 2.6
  Top w0.2: MOSFET3.3 50.98,110.38 D8.C
Net-(MOSFET4-D): length 4.4
  Top w0.35: D5.C 72.92,24.66 MOSFET4.3
Net-(MOSFET5-D): length 4.3
  Top w0.35: MOSFET5.3 72.98,18.27 D6.C
Net-(MOSFET6-D): length 2.4
  Top w0.2: D9.C 50.68,78.38 MOSFET6.3
Net-(R11-Pad1): length 1.9
  Top w0.35: R8.2 23.16,92.86 R11.1
Net-(U1E-MGTRREF_216): length 2.6
  Top w0.15: v1(59.29,48.28) 59.77,47.81 U1.F8
  Bottom w0.2: v1(59.29,48.28) 59.29,49.88 R68.2
Net-(U1F-CFGBVS_0): length 16.2
  Top w0.15: 49.31,29.37 51.69,31.75 51.69,33.77
  Top w0.2: 59.79,36.84 v1(59.27,36.31)
  In2.Cu w0.15: 51.69,33.77 51.88,33.77 53.69,35.58 58.57,35.58 59.27,36.28 v1(59.27,36.31)
  Bottom w0.2: v1(59.27,36.31) 59.12,36.31
  Bottom w0.35: R86.1 49.31,29.37
  vias: v1(49.3,29.36) v1(51.68,33.75)
